# Altium PCB qfc.PcbDoc (part 12 of 13) (continued)
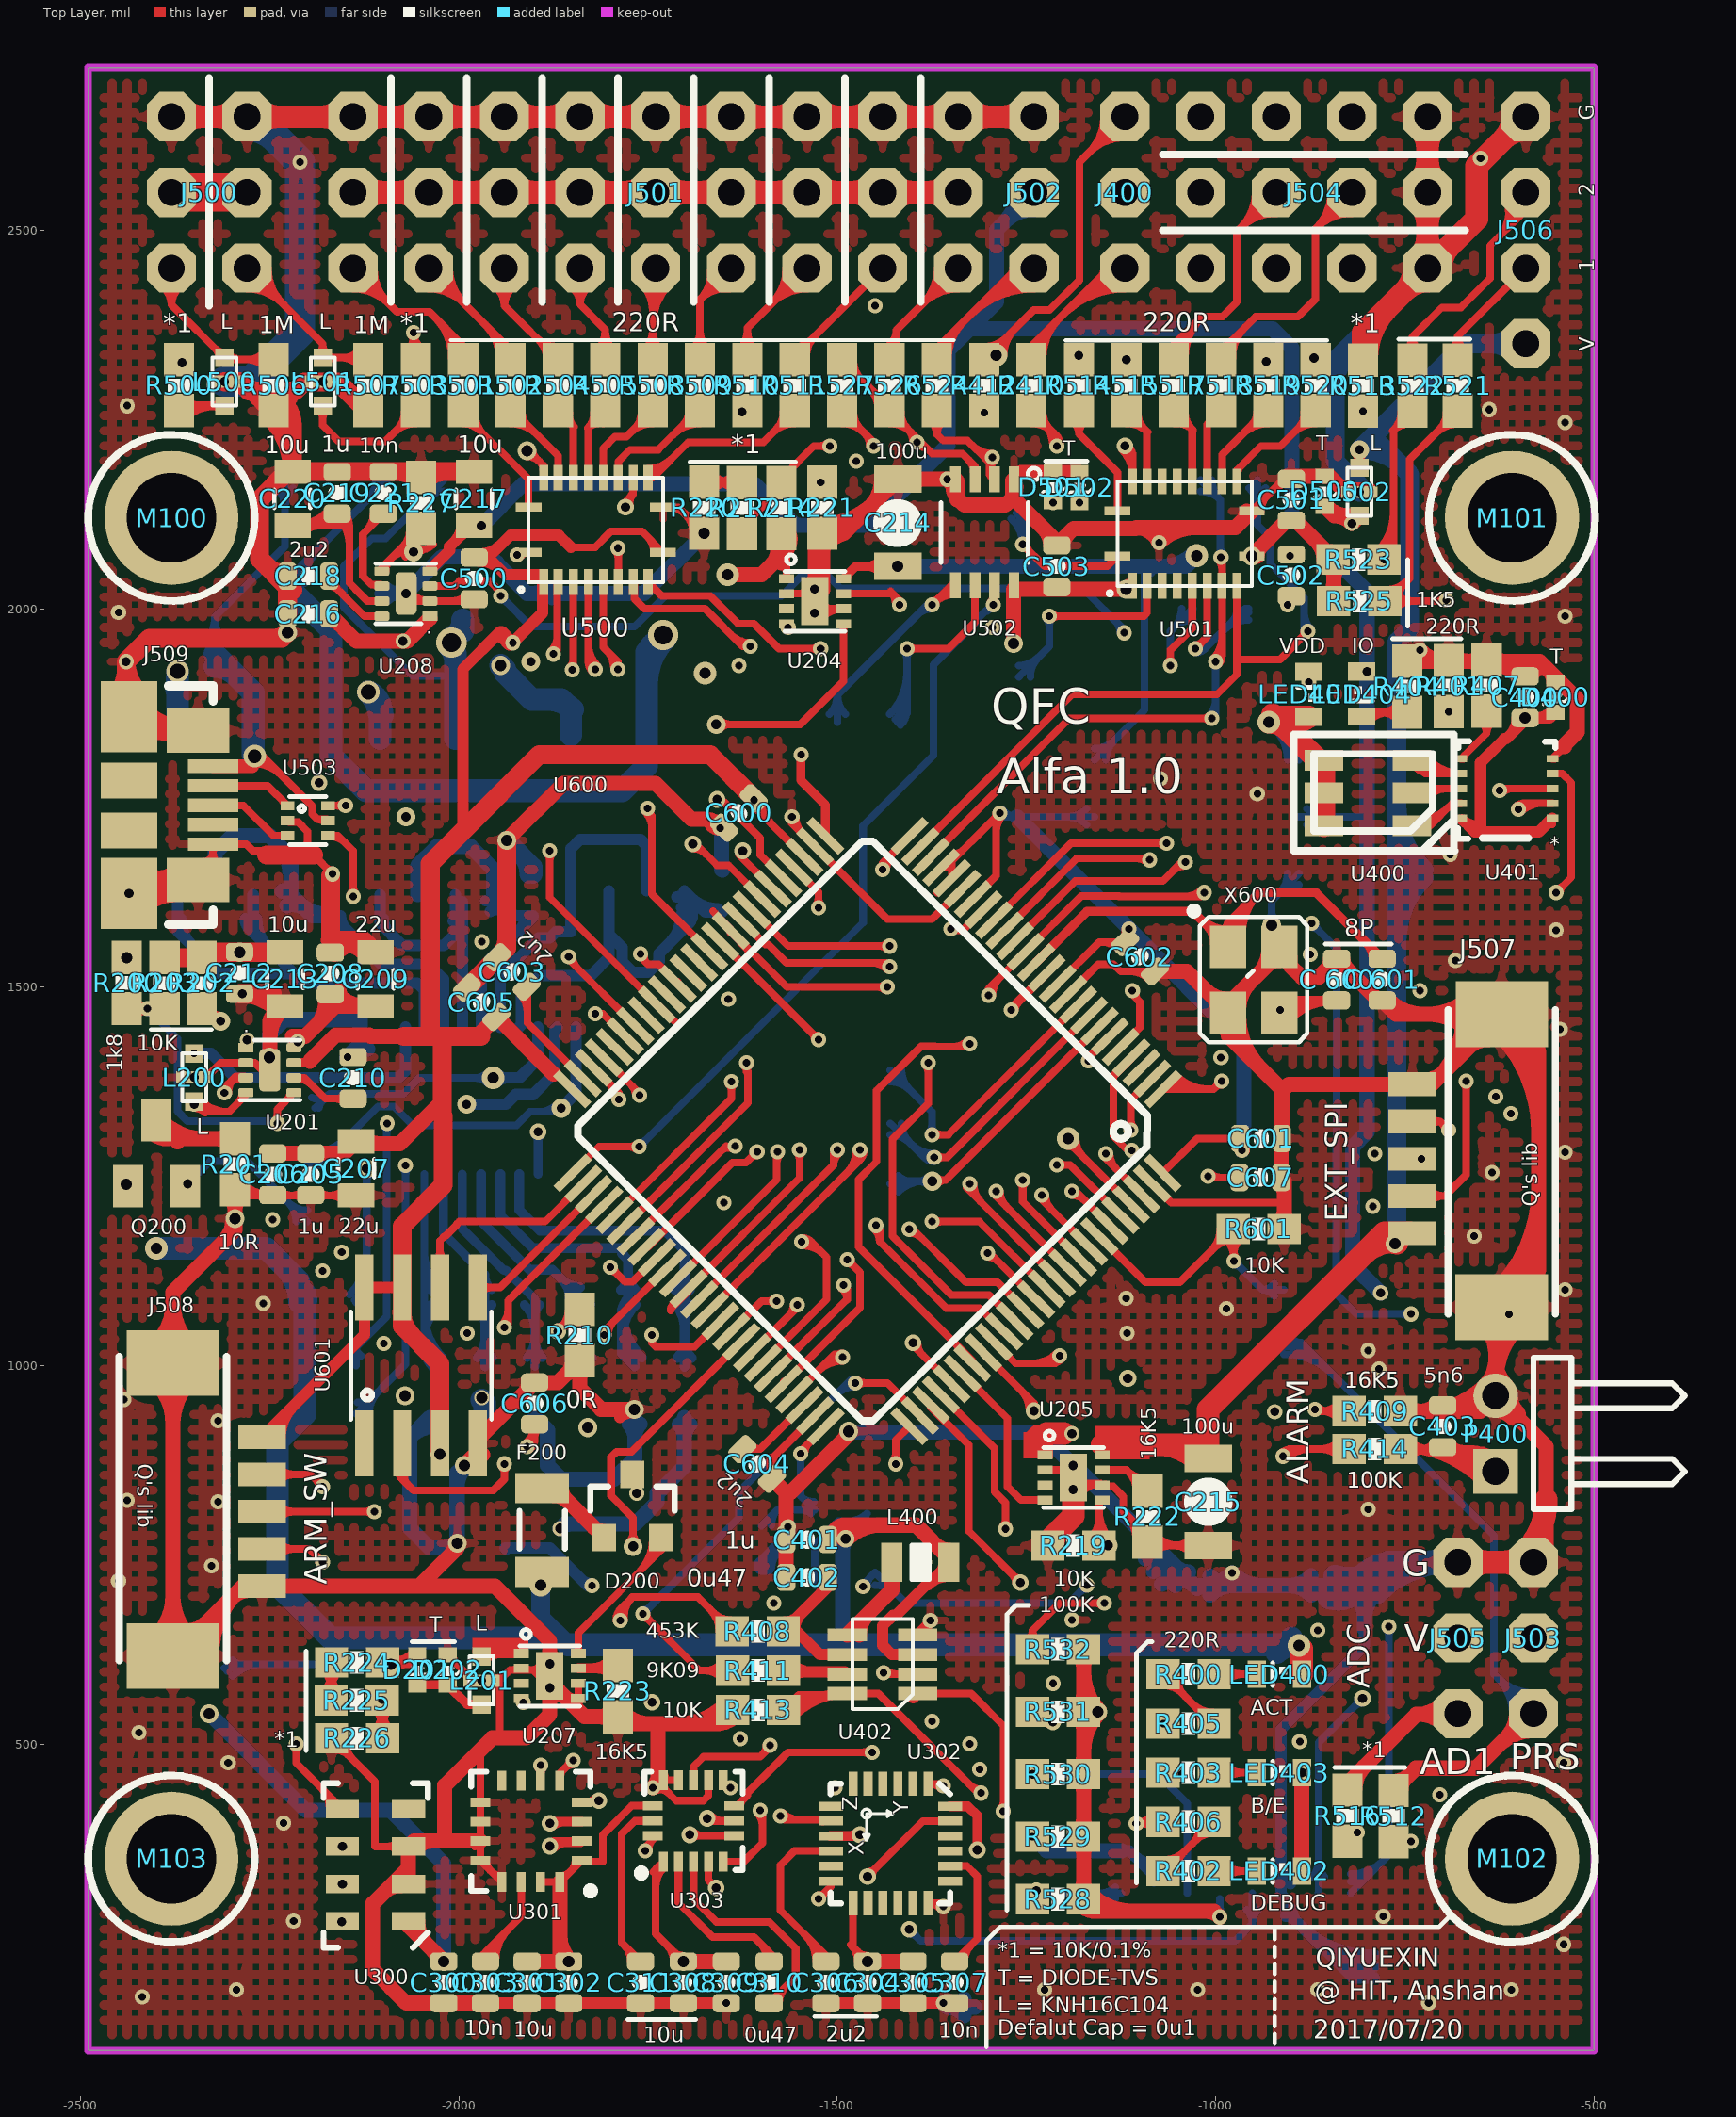
[diagram p0: Top Layer view]
## Nets (pads, with @x,y where several pads share a name; then routed paths per layer and width w, separated by ;. In a path a pad name is that pad's centre, name@x,y a point inside that pad or via, vN(x,y) a via of type N, cw(c..) or ccw(c..) an arc to the next point about the centre after c; other vN are vias at no path point) (continued)
SBUS_OUTPUT: S2TX.P$1 U502.5 U600.86 | length 2120.5
  Top Layer w10: v1(-1380,1400) -1380,1346 -1427,1299 -1427,1170.89 -1349.11,1093 -1299.57,1093 U600.86@-1265.54,1058.98 ; v1(-1375,2005) -1349,2031 U502.5@-1344,2031 ; v1@-1383.54,1396.46 cw(c-1392.07,1387.93) -1380,1387.93 ; v1@-1383.54,1396.46 cw(c-1392.07,1387.93) -1380,1387.93 ; v1@-1383.54,1396.46 cw(c-1392.07,1387.93) -1380,1387.93 ; v1@-1383.54,1396.46 cw(c-1392.07,1387.93) -1380,1387.93 ; -1380,1387.93 cw(c-1367.93,1387.93) v1@-1376.46,1396.46 ; -1380,1387.93 cw(c-1367.93,1387.93) v1@-1376.46,1396.46 ; -1380,1387.93 cw(c-1367.93,1387.93) v1@-1376.46,1396.46 ; -1380,1387.93 cw(c-1367.93,1387.93) v1@-1376.46,1396.46 ; v1@-1375,2010 ccw(c-1375,2022.07) -1366.46,2013.54 ; v1@-1375,2010 ccw(c-1375,2022.07) -1366.46,2013.54 ; v1@-1375,2010 ccw(c-1375,2022.07) -1366.46,2013.54 ; v1@-1375,2010 ccw(c-1375,2022.07) -1366.46,2013.54 ; v1@-1373.02,2006.98 cw(c-1344,1977.96) U502.5@-1344,2019 ; v1@-1373.02,2006.98 cw(c-1344,1977.96) U502.5@-1344,2019 ; v1@-1373.02,2006.98 cw(c-1344,1977.96) U502.5@-1344,2019 ; v1@-1373.02,2006.98 cw(c-1344,1977.96) U502.5@-1344,2019 ; v1@-1370,2005 cw(c-1357.93,2005) -1366.46,2013.54 ; v1@-1370,2005 cw(c-1357.93,2005) -1366.46,2013.54 ; v1@-1370,2005 cw(c-1357.93,2005) -1366.46,2013.54 ; v1@-1370,2005 cw(c-1357.93,2005) -1366.46,2013.54 ; -1355.95,2024.05 cw(c-1344,2012.1) U502.5@-1344,2029 ; -1355.95,2024.05 cw(c-1344,2012.1) U502.5@-1344,2029 ; -1355.95,2024.05 cw(c-1344,2012.1) U502.5@-1344,2029 ; -1355.95,2024.05 cw(c-1344,2012.1) U502.5@-1344,2029
  Mid-Layer 2 w10: v1(-1380,1400) v1@-1380,2000 ; v1@-1383.54,1403.54 ccw(c-1392.07,1412.07) -1380,1412.07 ; v1@-1383.54,1403.54 ccw(c-1392.07,1412.07) -1380,1412.07 ; v1@-1383.54,1403.54 ccw(c-1392.07,1412.07) -1380,1412.07 ; v1@-1383.54,1403.54 ccw(c-1392.07,1412.07) -1380,1412.07 ; -1380,1412.07 ccw(c-1367.93,1412.07) v1@-1376.46,1403.54 ; -1380,1412.07 ccw(c-1367.93,1412.07) v1@-1376.46,1403.54 ; -1380,1412.07 ccw(c-1367.93,1412.07) v1@-1376.46,1403.54 ; -1380,1412.07 ccw(c-1367.93,1412.07) v1@-1376.46,1403.54 ; -1380,1980.86 cw(c-1350.86,1980.86) v1@-1371.46,2001.46 ; -1380,1980.86 cw(c-1350.86,1980.86) v1@-1371.46,2001.46 ; -1380,1980.86 cw(c-1350.86,1980.86) v1@-1371.46,2001.46 ; -1380,1980.86 cw(c-1350.86,1980.86) v1@-1371.46,2001.46
  Bottom Layer w10: S2TX.P$1@-1500,1850 -1500,1886.11 ; v1(-1375,2005) -1381.11,2005 -1500,1886.11 ; S2TX.P$1@-1510.59,1860.63 ccw(c-1535.97,1886.11) -1500,1886.11 ; S2TX.P$1@-1510.59,1860.63 ccw(c-1535.97,1886.11) -1500,1886.11 ; S2TX.P$1@-1510.59,1860.63 ccw(c-1535.97,1886.11) -1500,1886.11 ; S2TX.P$1@-1510.59,1860.63 ccw(c-1535.97,1886.11) -1500,1886.11 ; -1500,1886.11 ccw(c-1464.03,1886.11) S2TX.P$1@-1489.41,1860.63 ; -1500,1886.11 ccw(c-1464.03,1886.11) S2TX.P$1@-1489.41,1860.63 ; -1500,1886.11 ccw(c-1464.03,1886.11) S2TX.P$1@-1489.41,1860.63 ; -1500,1886.11 ccw(c-1464.03,1886.11) S2TX.P$1@-1489.41,1860.63 ; -1393.97,1992.14 cw(c-1375,1973.17) v1@-1375,2000 ; -1393.97,1992.14 cw(c-1375,1973.17) v1@-1375,2000 ; -1393.97,1992.14 cw(c-1375,1973.17) v1@-1375,2000 ; -1393.97,1992.14 cw(c-1375,1973.17) v1@-1375,2000
SPI_INT_MISO: U300.6 U301.4 U302.9 U303.7 U600.31 | length 2916.5
  Top Layer w10: U301.4@-1838.07,422.91 v2@-1817.09,422.91 ; v2@-1668.68,398.27 U303.7@-1636.06,398.27 ; v2@-1630,1674.87 U600.31@-1585.27,1630.15 ; v2@-1471.63,378.37 v2(-1470,380) ; U301.4@-1834.52,422.91 ccw(c-1834.52,444.52) v2@-1819.24,429.24 ; U301.4@-1834.52,422.91 ccw(c-1834.52,444.52) v2@-1819.24,429.24 ; U301.4@-1834.52,422.91 ccw(c-1834.52,444.52) v2@-1819.24,429.24 ; U301.4@-1834.52,422.91 ccw(c-1834.52,444.52) v2@-1819.24,429.24 ; v2@-1667.76,405.83 ccw(c-1649.51,424.07) -1649.51,398.27 ; v2@-1667.76,405.83 ccw(c-1649.51,424.07) -1649.51,398.27 ; v2@-1667.76,405.83 ccw(c-1649.51,424.07) -1649.51,398.27 ; v2@-1667.76,405.83 ccw(c-1649.51,424.07) -1649.51,398.27
  Top Layer w13: U302.9@-1508.74,378.37 v2@-1471.63,378.37 ; -1484.8,378.37 ccw(c-1484.8,394.8) v2@-1473.18,383.18 ; -1484.8,378.37 ccw(c-1484.8,394.8) v2@-1473.18,383.18 ; -1484.8,378.37 ccw(c-1484.8,394.8) v2@-1473.18,383.18 ; -1484.8,378.37 ccw(c-1484.8,394.8) v2@-1473.18,383.18
  Mid-Layer 1 w13: v2(-2154,364.61) -2093.61,425 v2(-1815,425) -1805,415 -1727.86,415 -1685.42,415 v2(-1672,401.58) -1650.42,380 v2(-1470,380) ; v2@-1811.82,428.18 ccw(c-1779.99,460.01) -1779.99,415 ; v2@-1811.82,428.18 ccw(c-1779.99,460.01) -1779.99,415 ; v2@-1811.82,428.18 ccw(c-1779.99,460.01) -1779.99,415 ; v2@-1811.82,428.18 ccw(c-1779.99,460.01) -1779.99,415
  Mid-Layer 2 w10: v2(-1672,401.58) -1672,1645 -1637,1680 ; v2(-1625,1680) -1637,1680 ; v2@-1676.24,405.83 ccw(c-1686.49,416.07) -1672,416.07 ; v2@-1676.24,405.83 ccw(c-1686.49,416.07) -1672,416.07 ; v2@-1676.24,405.83 ccw(c-1686.49,416.07) -1672,416.07 ; v2@-1676.24,405.83 ccw(c-1686.49,416.07) -1672,416.07 ; -1672,416.07 ccw(c-1657.51,416.07) v2@-1667.76,405.83 ; -1672,416.07 ccw(c-1657.51,416.07) v2@-1667.76,405.83 ; -1672,416.07 ccw(c-1657.51,416.07) v2@-1667.76,405.83 ; -1672,416.07 ccw(c-1657.51,416.07) v2@-1667.76,405.83 ; -1655.73,1661.27 cw(c-1625,1630.54) v2@-1625,1674 ; -1655.73,1661.27 cw(c-1625,1630.54) v2@-1625,1674 ; -1655.73,1661.27 cw(c-1625,1630.54) v2@-1625,1674 ; -1655.73,1661.27 cw(c-1625,1630.54) v2@-1625,1674 ; -1643,1674 cw(c-1635.09,1666.09) v2@-1628.52,1675.14 ; -1643,1674 cw(c-1635.09,1666.09) v2@-1628.52,1675.14 ; -1643,1674 cw(c-1635.09,1666.09) v2@-1628.52,1675.14 ; -1638.66,1678.34 cw(c-1625,1664.69) v2@-1625,1684 ; -1638.66,1678.34 cw(c-1625,1664.69) v2@-1625,1684 ; -1638.66,1678.34 cw(c-1625,1664.69) v2@-1625,1684 ; -1638.66,1678.34 cw(c-1625,1664.69) v2@-1625,1684 ; -1637,1680 cw(c-1637,1671) v2@-1629.8,1676.4 ; -1637,1680 ccw(c-1637,1689) v2@-1629.8,1683.6 ; -1637,1680 cw(c-1637,1671) v2@-1629.8,1676.4 ; -1637,1680 ccw(c-1637,1689) v2@-1629.8,1683.6 ; -1637,1680 cw(c-1637,1671) v2@-1629.8,1676.4 ; -1637,1680 ccw(c-1637,1689) v2@-1629.8,1683.6
SPI_INT_MOSI: U300.7 U301.3 U302.24 U303.6 U600.32 | length 3050.4
  Top Layer w10: v2@-1693.58,378.58 U303.6@-1636.06,378.58 ; v2(-1691,1689) -1689,1691 -1659.02,1661.02 -1643.98,1661.02 U600.32@-1599.19,1616.23 ; v2@-1691,1683 cw(c-1691,1658.86) -1673.93,1675.93 ; v2@-1691,1683 cw(c-1691,1658.86) -1673.93,1675.93 ; v2@-1691,1683 cw(c-1691,1658.86) -1673.93,1675.93 ; v2@-1691,1683 cw(c-1691,1658.86) -1673.93,1675.93 ; v2@-1690.76,375.76 cw(c-1683.93,368.93) -1683.93,378.58 ; v2@-1690.76,375.76 cw(c-1683.93,368.93) -1683.93,378.58 ; v2@-1690.76,375.76 cw(c-1683.93,368.93) -1683.93,378.58 ; v2@-1690.76,375.76 cw(c-1683.93,368.93) -1683.93,378.58 ; v2@-1690.76,384.24 ccw(c-1677.1,397.9) -1677.1,378.58 ; v2@-1690.76,384.24 ccw(c-1677.1,397.9) -1677.1,378.58 ; v2@-1690.76,384.24 ccw(c-1677.1,397.9) -1677.1,378.58 ; v2@-1690.76,384.24 ccw(c-1677.1,397.9) -1677.1,378.58
  Top Layer w13: v2@-1877.68,397.32 U301.3@-1838.07,397.32 ; U302.24@-1351,417.74 -1327.74,417.74 -1315,405 v2(-1315,360) ; v2@-1876.82,391.82 cw(c-1863.53,378.53) -1863.53,397.32 ; v2@-1876.82,391.82 cw(c-1863.53,378.53) -1863.53,397.32 ; v2@-1876.82,391.82 cw(c-1863.53,378.53) -1863.53,397.32 ; v2@-1876.82,391.82 cw(c-1863.53,378.53) -1863.53,397.32
  Mid-Layer 1 w13: v2(-2154,315) -2074,395 v2(-1880,395) -1853,395 -1840.5,382.5 -1718.25,382.5 -1697.5,382.5 v2(-1695,380) -1670,355 -1445,355 ; -1440,355 v2@-1320,355 ; -1711.9,382.5 cw(c-1711.9,363.1) v2@-1698.18,376.82 ; -1711.9,382.5 cw(c-1711.9,363.1) v2@-1698.18,376.82 ; -1711.9,382.5 cw(c-1711.9,363.1) v2@-1698.18,376.82 ; -1711.9,382.5 cw(c-1711.9,363.1) v2@-1698.18,376.82 ; -1337.93,355 ccw(c-1337.93,382.93) v2@-1318.18,363.18 ; -1337.93,355 ccw(c-1337.93,382.93) v2@-1318.18,363.18 ; -1337.93,355 ccw(c-1337.93,382.93) v2@-1318.18,363.18 ; -1337.93,355 ccw(c-1337.93,382.93) v2@-1318.18,363.18
  Mid-Layer 2 w10: v2(-1695,380) -1695,1685 v2(-1691,1689) ; v2@-1699.24,384.24 ccw(c-1709.49,394.49) -1695,394.49 ; v2@-1699.24,384.24 ccw(c-1709.49,394.49) -1695,394.49 ; v2@-1699.24,384.24 ccw(c-1709.49,394.49) -1695,394.49 ; v2@-1699.24,384.24 ccw(c-1709.49,394.49) -1695,394.49 ; -1695,394.49 ccw(c-1680.51,394.49) v2@-1690.76,384.24 ; -1695,394.49 ccw(c-1680.51,394.49) v2@-1690.76,384.24 ; -1695,394.49 ccw(c-1680.51,394.49) v2@-1690.76,384.24 ; -1695,394.49 ccw(c-1680.51,394.49) v2@-1690.76,384.24 ; -1695,1664.86 cw(c-1666.86,1664.86) v2@-1686.76,1684.76 ; -1695,1664.86 cw(c-1666.86,1664.86) v2@-1686.76,1684.76 ; -1695,1664.86 cw(c-1666.86,1664.86) v2@-1686.76,1684.76 ; -1695,1664.86 cw(c-1666.86,1664.86) v2@-1686.76,1684.76
SPI_INT_SCK: U300.8 U301.2 U302.23 U303.4 U600.30 | length 3073.2
  Top Layer w10: v2(-2155,265) U300.8@-2154,266 ; U303.4@-1670.31,344.33 -1670.31,320.31 v2(-1660,310) ; v2(-1659,1748) -1659,1745 -1650.04,1745 -1602,1696.96 -1602,1674.71 U600.30@-1571.36,1644.07 ; v2(-1460,325) -1386.94,398.06 U302.23@-1351,398.06 ; v2@-1460,331 ccw(c-1460,345.49) -1449.76,335.24 ; v2@-1460,331 ccw(c-1460,345.49) -1449.76,335.24 ; v2@-1460,331 ccw(c-1460,345.49) -1449.76,335.24 ; v2@-1460,331 ccw(c-1460,345.49) -1449.76,335.24 ; v2@-1454,325 cw(c-1439.51,325) -1449.76,335.24 ; v2@-1454,325 cw(c-1439.51,325) -1449.76,335.24 ; v2@-1454,325 cw(c-1439.51,325) -1449.76,335.24 ; v2@-1454,325 cw(c-1439.51,325) -1449.76,335.24
  Top Layer w13: v2@-1874.5,370.5 -1839.3,370.5 U301.2@-1838.07,371.73 ; v2@-1876.82,361.82 cw(c-1855.86,340.86) -1855.86,370.5 ; v2@-1876.82,361.82 cw(c-1855.86,340.86) -1855.86,370.5 ; v2@-1876.82,361.82 cw(c-1855.86,340.86) -1855.86,370.5 ; v2@-1876.82,361.82 cw(c-1855.86,340.86) -1855.86,370.5
  Mid-Layer 1 w13: v2(-2155,265) -2050,370 v2@-1880,370 ; v2(-1880,365) -1825,310 v2(-1660,310) -1645,325 v2(-1460,325) ; -1902.93,370 cw(c-1902.93,342.07) v2@-1883.18,361.82 ; -1902.93,370 cw(c-1902.93,342.07) v2@-1883.18,361.82 ; -1902.93,370 cw(c-1902.93,342.07) v2@-1883.18,361.82 ; -1902.93,370 cw(c-1902.93,342.07) v2@-1883.18,361.82
  Mid-Layer 2 w10: v2@-1663,1748 v2(-1659,1748) -1664.53,1748 -1718,1694.53 -1718,368 v2(-1660,310) ; -1678.68,1733.85 cw(c-1659,1714.17) v2@-1659,1742 ; -1678.68,1733.85 cw(c-1659,1714.17) v2@-1659,1742 ; -1678.68,1733.85 cw(c-1659,1714.17) v2@-1659,1742 ; -1678.68,1733.85 cw(c-1659,1714.17) v2@-1659,1742 ; -1670.24,320.24 cw(c-1680.49,310) v2@-1666,310 ; -1670.24,320.24 ccw(c-1660,330.49) v2@-1660,316 ; -1670.24,320.24 cw(c-1680.49,310) v2@-1666,310 ; -1670.24,320.24 ccw(c-1660,330.49) v2@-1660,316 ; -1670.24,320.24 cw(c-1680.49,310) v2@-1666,310 ; -1670.24,320.24 ccw(c-1660,330.49) v2@-1660,316 ; -1670.24,320.24 cw(c-1680.49,310) v2@-1666,310 ; -1670.24,320.24 ccw(c-1660,330.49) v2@-1660,316
VBAT: B600.+ R600.1 U600.6 | length 2187.8
  Top Layer w10: v1(-1168.02,1402.57) -1169.84,1404.39 -1169.84,1405 U600.6@-1139.71,1435.13
  Mid-Layer 1 w10: v1(-1824,709) -1822.59,710.41 v1@-1822,711 ; v1@-1467.54,709 -1466.12,710.41 -1466,710.54 v1(-1466,708)
  Mid-Layer 1 w15: v1@-1822.59,710.41 v1@-1466.12,710.41 ; -1477.86,710.41 cw(c-1477.86,696.14) v1@-1467.77,706.23 ; -1477.86,710.41 cw(c-1477.86,696.14) v1@-1467.77,706.23 ; -1477.86,710.41 cw(c-1477.86,696.14) v1@-1467.77,706.23 ; -1477.86,710.41 cw(c-1477.86,696.14) v1@-1467.77,706.23
  Mid-Layer 2 w10: v1(-1170,710) -1167.19,712.81 -1167.19,1401.74 v1(-1168.02,1402.57) ; v1@-1173.54,713.54 ccw(c-1188.86,728.86) -1167.19,728.86 ; v1@-1173.54,713.54 ccw(c-1188.86,728.86) -1167.19,728.86 ; v1@-1173.54,713.54 ccw(c-1188.86,728.86) -1167.19,728.86 ; v1@-1173.54,713.54 ccw(c-1188.86,728.86) -1167.19,728.86 ; v1@-1171.56,1399.04 cw(c-1182.1,1388.49) -1167.19,1388.49 ; v1@-1171.56,1399.04 cw(c-1182.1,1388.49) -1167.19,1388.49 ; v1@-1171.56,1399.04 cw(c-1182.1,1388.49) -1167.19,1388.49 ; v1@-1171.56,1399.04 cw(c-1182.1,1388.49) -1167.19,1388.49 ; -1167.19,1392.51 cw(c-1157.96,1392.51) v1@-1164.49,1399.04 ; -1167.19,1392.51 cw(c-1157.96,1392.51) v1@-1164.49,1399.04 ; -1167.19,1392.51 cw(c-1157.96,1392.51) v1@-1164.49,1399.04 ; -1167.19,1392.51 cw(c-1157.96,1392.51) v1@-1164.49,1399.04
  Bottom Layer w10: v1(-1466,708) -1466,710.54 R600.1@-1450,726.54 -1409.46,686 -1194,686 v1(-1170,710) ; R600.1@-1461,708 cw(c-1442.81,708) R600.1@-1455.67,720.86 ; R600.1@-1461,708 cw(c-1442.81,708) R600.1@-1455.67,720.86 ; R600.1@-1461,708 cw(c-1442.81,708) R600.1@-1455.67,720.86 ; R600.1@-1461,708 cw(c-1442.81,708) R600.1@-1455.67,720.86 ; R600.1@-1450,709.54 cw(c-1450,668.49) -1420.98,697.51 ; R600.1@-1450,709.54 cw(c-1450,668.49) -1420.98,697.51 ; R600.1@-1450,709.54 cw(c-1450,668.49) -1420.98,697.51 ; R600.1@-1450,709.54 cw(c-1450,668.49) -1420.98,697.51 ; R600.1@-1435,724.54 ccw(c-1403.62,724.54) -1425.81,702.34 ; R600.1@-1435,724.54 ccw(c-1403.62,724.54) -1425.81,702.34 ; R600.1@-1435,724.54 ccw(c-1403.62,724.54) -1425.81,702.34 ; R600.1@-1435,724.54 ccw(c-1403.62,724.54) -1425.81,702.34 ; -1178.54,701.46 cw(c-1170,692.93) v1@-1170,705 ; -1178.54,701.46 ccw(c-1187.07,710) v1@-1175,710 ; -1178.54,701.46 cw(c-1170,692.93) v1@-1170,705 ; -1178.54,701.46 ccw(c-1187.07,710) v1@-1175,710 ; -1178.54,701.46 cw(c-1170,692.93) v1@-1170,705 ; -1178.54,701.46 ccw(c-1187.07,710) v1@-1175,710 ; -1178.54,701.46 cw(c-1170,692.93) v1@-1170,705 ; -1178.54,701.46 ccw(c-1187.07,710) v1@-1175,710
  Bottom Layer w15: B600.+@-1937.5,757 B600.+@-1939.5,759.01 -1879.9,759.01 -1829.89,709 v1(-1824,709) ; -1838.32,717.43 ccw(c-1824,731.76) v1@-1824,711.5 ; -1838.32,717.43 ccw(c-1824,731.76) v1@-1824,711.5 ; -1838.32,717.43 ccw(c-1824,731.76) v1@-1824,711.5 ; -1838.32,717.43 ccw(c-1824,731.76) v1@-1824,711.5
VBUS: C211.P$1 J509.VBUS R213.2 U203.7 U206.22 U503.5 U600.68 VBUS.P$1 | length 4038.5
  Top Layer w10: v13@-2261.92,1807 -2194,1739.08 -2194,1728.71 -2186.97,1721.68 -2174.68,1721.68 U503.5@-2173,1720 ; U600.68@-1612.73,1017.26 -1553,1076.99 v1(-1553,1080) ; v13@-2270,1795 cw(c-2270,1746.52) -2235.72,1780.8 ; v13@-2270,1795 cw(c-2270,1746.52) -2235.72,1780.8 ; v13@-2270,1795 cw(c-2270,1746.52) -2235.72,1780.8 ; v13@-2270,1795 cw(c-2270,1746.52) -2235.72,1780.8 ; v13(-2270,1805) cw(c-2270,1780.67) -2252.79,1797.87 ; v13(-2270,1805) cw(c-2270,1780.67) -2252.79,1797.87 ; v13(-2270,1805) cw(c-2270,1780.67) -2252.79,1797.87 ; v13(-2270,1805) cw(c-2270,1780.67) -2252.79,1797.87 ; -2189.36,1724.07 ccw(c-2180.29,1733.13) U503.5@-2176.31,1720.95 ; -2189.36,1724.07 ccw(c-2180.29,1733.13) U503.5@-2176.31,1720.95 ; -2189.36,1724.07 ccw(c-2180.29,1733.13) U503.5@-2176.31,1720.95 ; -2189.36,1724.07 ccw(c-2180.29,1733.13) U503.5@-2176.31,1720.95 ; -2182.48,1721.68 cw(c-2182.48,1713.52) U503.5@-2176.71,1719.29 ; -2182.48,1721.68 cw(c-2182.48,1713.52) U503.5@-2176.71,1719.29 ; -2182.48,1721.68 cw(c-2182.48,1713.52) U503.5@-2176.71,1719.29 ; -2182.48,1721.68 cw(c-2182.48,1713.52) U503.5@-2176.71,1719.29 ; -1563.66,1066.33 ccw(c-1577.33,1080) v1@-1558,1080 ; -1563.66,1066.33 ccw(c-1577.33,1080) v1@-1558,1080 ; -1563.66,1066.33 ccw(c-1577.33,1080) v1@-1558,1080 ; -1563.66,1066.33 ccw(c-1577.33,1080) v1@-1558,1080
  Top Layer w18: J509.VBUS@-2325,1792 v13@-2273,1792
  Mid-Layer 1 w10: v1(-1989,1042.5) v1@-1989,1043 ; v1@-1553,1078 v1(-1553,1080)
  Mid-Layer 1 w15: v1(-1989,1042.5) -1982.15,1042.5 -1950.15,1074.5 -1743.44,1074.5 -1729.44,1060.5 -1569.85,1060.5 -1553,1077.35 v1@-1553,1078 ; v1@-1989,1045 ccw(c-1989,1067.58) -1973.04,1051.61 ; v1@-1989,1045 ccw(c-1989,1067.58) -1973.04,1051.61 ; v1@-1989,1045 ccw(c-1989,1067.58) -1973.04,1051.61 ; v1@-1989,1045 ccw(c-1989,1067.58) -1973.04,1051.61 ; -1559.14,1071.21 ccw(c-1567.93,1080) v1@-1555.5,1080 ; -1559.14,1071.21 ccw(c-1567.93,1080) v1@-1555.5,1080 ; -1559.14,1071.21 ccw(c-1567.93,1080) v1@-1555.5,1080 ; -1559.14,1071.21 ccw(c-1567.93,1080) v1@-1555.5,1080
  Mid-Layer 1 w30: v13(-2270,1805) -2270,1630 -2020,1380 v5(-1955,1380)
  Mid-Layer 2 w10: v1(-1989,1042.5) v1@-1988.5,1042
  Mid-Layer 2 w30: -1980,967.5 v1@-1980,1042 ; v1@-1980,1042.5 -1980,1135 -1955,1160 v5(-1955,1380) ; v1@-1985.46,1038.96 ccw(c-1998.65,1052.15) -1980,1052.15 ; v1@-1985.46,1038.96 ccw(c-1998.65,1052.15) -1980,1052.15 ; v1@-1985.46,1038.96 ccw(c-1998.65,1052.15) -1980,1052.15 ; v1@-1985.46,1038.96 ccw(c-1998.65,1052.15) -1980,1052.15 ; v1@-1985.46,1046.04 cw(c-1998.65,1032.85) -1980,1032.85 ; v1@-1985.46,1046.04 cw(c-1998.65,1032.85) -1980,1032.85 ; v1@-1985.46,1046.04 cw(c-1998.65,1032.85) -1980,1032.85 ; v1@-1985.46,1046.04 cw(c-1998.65,1032.85) -1980,1032.85 ; -1980,969.57 ccw(c-1957.93,969.57) v12@-1973.54,953.96 ; -1980,969.57 ccw(c-1957.93,969.57) v12@-1973.54,953.96 ; -1980,969.57 ccw(c-1957.93,969.57) v12@-1973.54,953.96 ; -1980,969.57 ccw(c-1957.93,969.57) v12@-1973.54,953.96
  Bottom Layer w10: C211.P$1@-2322.91,1940 -2322.91,1989.09 -2230,2082 -2230,2170 ; -2240.61,2159.39 cw(c-2266.21,2133.79) -2230,2133.79 cw(c-2193.79,2133.79) -2219.39,2159.39 ; VBUS.P$1@-2190,1340 -2171,1359 ; v5(-1955,1380) -2052.42,1380 -2073.42,1359 -2171,1359 ; C211.P$1@-2332.11,1962.69 ccw(c-2354.3,1984.89) -2322.91,1984.89 ; C211.P$1@-2332.11,1962.69 ccw(c-2354.3,1984.89) -2322.91,1984.89 ; C211.P$1@-2332.11,1962.69 ccw(c-2354.3,1984.89) -2322.91,1984.89 ; C211.P$1@-2332.11,1962.69 ccw(c-2354.3,1984.89) -2322.91,1984.89 ; -2322.91,1984.89 ccw(c-2291.53,1984.89) C211.P$1@-2313.72,1962.69 ; -2322.91,1984.89 ccw(c-2291.53,1984.89) C211.P$1@-2313.72,1962.69 ; -2322.91,1984.89 ccw(c-2291.53,1984.89) C211.P$1@-2313.72,1962.69 ; -2322.91,1984.89 ccw(c-2291.53,1984.89) C211.P$1@-2313.72,1962.69 ; VBUS.P$1@-2194.61,1354 ccw(c-2186.65,1374.65) -2171,1359 ; VBUS.P$1@-2194.61,1354 ccw(c-2186.65,1374.65) -2171,1359 ; VBUS.P$1@-2194.61,1354 ccw(c-2186.65,1374.65) -2171,1359 ; VBUS.P$1@-2185,1340 cw(c-2172.93,1340) -2181.46,1348.54 ; VBUS.P$1@-2185,1340 cw(c-2172.93,1340) -2181.46,1348.54 ; VBUS.P$1@-2185,1340 cw(c-2172.93,1340) -2181.46,1348.54 ; -1979.14,1380 cw(c-1979.14,1355.86) v5@-1962.07,1372.93 ; -1979.14,1380 ccw(c-1979.14,1404.14) v5@-1962.07,1387.07 ; -1979.14,1380 cw(c-1979.14,1355.86) v5@-1962.07,1372.93 ; -1979.14,1380 ccw(c-1979.14,1404.14) v5@-1962.07,1387.07 ; -1979.14,1380 cw(c-1979.14,1355.86) v5@-1962.07,1372.93 ; -1979.14,1380 ccw(c-1979.14,1404.14) v5@-1962.07,1387.07
  Bottom Layer w15: v5(-1955,1380) -1920,1380 -1895.5,1404.5 U206.22@-1895.5,1447 ; v5@-1949.7,1374.7 cw(c-1936.89,1361.89) -1936.89,1380 ; v5@-1949.7,1374.7 cw(c-1936.89,1361.89) -1936.89,1380 ; v5@-1949.7,1374.7 cw(c-1936.89,1361.89) -1936.89,1380 ; v5@-1949.7,1374.7 cw(c-1936.89,1361.89) -1936.89,1380 ; v5@-1949.7,1385.3 ccw(c-1936.89,1398.11) -1936.89,1380 ; v5@-1949.7,1385.3 ccw(c-1936.89,1398.11) -1936.89,1380 ; v5@-1949.7,1385.3 ccw(c-1936.89,1398.11) -1936.89,1380 ; v5@-1949.7,1385.3 ccw(c-1936.89,1398.11) -1936.89,1380
  Bottom Layer w20: R213.2@-1970,935 R213.2@-1966,931 ; v12@-1970,954.47 v12(-1970,957.5) ; v12(-1970,957.5) ccw(c-1951.57,957.5) R213.2@-1960.92,941.62 ; v12(-1970,957.5) ccw(c-1951.57,957.5) R213.2@-1960.92,941.62 ; v12(-1970,957.5) ccw(c-1951.57,957.5) R213.2@-1960.92,941.62 ; v12(-1970,957.5) ccw(c-1951.57,957.5) R213.2@-1960.92,941.62
  Bottom Layer w25: R213.2@-1970.82,926.19 R213.2@-1966,931
  Bottom Layer w30: C211.P$1@-2322.91,1940 -2272,1889.09 U203.7@-2272,1828 -2272,1807 v13(-2270,1805) ; v12@-1970,954.47 -1966,950.47 R213.2@-1966,931 ; C211.P$1@-2322.91,1923.5 cw(c-2322.91,1883.67) -2294.75,1911.83 ; C211.P$1@-2322.91,1923.5 cw(c-2322.91,1883.67) -2294.75,1911.83 ; C211.P$1@-2322.91,1923.5 cw(c-2322.91,1883.67) -2294.75,1911.83 ; C211.P$1@-2322.91,1923.5 cw(c-2322.91,1883.67) -2294.75,1911.83
VDD_3V3_SENSORS: 3V3_SEN.P$1 C208.P$1 C209.1 C300.P$1 C301.P$1 C302.P$1 C304.P$1 C305.P$1 C308.P$1 C309.P$1 Q200.E U201.8 U300.1 U301.1 U301.15 U301.16 U302.13 U303.1 U303.14 | length 5588.6
  Top Layer w10: Q200.E@-2362,1236.69 v4(-2358.69,1240) ; U301.15@-1892.2,317.6 U301.16@-1866.61,317.6 U301.1@-1838.07,346.14 -1836.26,344.33 -1810,344.33 -1810,380 -1771.73,418.27 U303.14@-1744,418.27 ; U303.1@-1730,344.33 -1740,334.33 -1740,249.23 v3(-1703.33,212.56) ; U302.13@-1479.21,289.53 -1479.21,231.77 v3(-1460,212.56) ; U301.16@-1866.61,325.6 ccw(c-1866.61,344.91) -1852.96,331.25 ; U301.16@-1866.61,325.6 ccw(c-1866.61,344.91) -1852.96,331.25 ; U301.16@-1866.61,325.6 ccw(c-1866.61,344.91) -1852.96,331.25 ; U301.16@-1866.61,325.6 ccw(c-1866.61,344.91) -1852.96,331.25 ; -1851.73,332.49 ccw(c-1865.38,346.14) U301.1@-1846.07,346.14 ; -1851.73,332.49 ccw(c-1865.38,346.14) U301.1@-1846.07,346.14 ; -1851.73,332.49 ccw(c-1865.38,346.14) U301.1@-1846.07,346.14 ; -1851.73,332.49 ccw(c-1865.38,346.14) U301.1@-1846.07,346.14 ; U301.1@-1830.36,346.85 ccw(c-1824.29,352.93) -1824.29,344.33 ; U301.1@-1830.36,346.85 ccw(c-1824.29,352.93) -1824.29,344.33 ; U301.1@-1830.36,346.85 ccw(c-1824.29,352.93) -1824.29,344.33 ; U301.1@-1830.36,346.85 ccw(c-1824.29,352.93) -1824.29,344.33 ; -1743.5,330.83 cw(c-1730.22,317.56) U303.1@-1730.01,336.33 ; -1743.5,330.83 cw(c-1730.22,317.56) U303.1@-1730.01,336.33 ; -1743.5,330.83 cw(c-1730.22,317.56) U303.1@-1730.01,336.33 ; -1743.5,330.83 cw(c-1730.22,317.56) U303.1@-1730.01,336.33 ; -1740,310.78 cw(c-1703.45,310.78) U303.1@-1729.29,336.62 ; -1740,310.78 cw(c-1703.45,310.78) U303.1@-1729.29,336.62 ; -1740,310.78 cw(c-1703.45,310.78) U303.1@-1729.29,336.62 ; -1740,310.78 cw(c-1703.45,310.78) U303.1@-1729.29,336.62 ; -1725.53,234.75 cw(c-1747.72,212.56) C308.P$1@-1716.33,212.56 ; -1725.53,234.75 cw(c-1747.72,212.56) C308.P$1@-1716.33,212.56 ; -1725.53,234.75 cw(c-1747.72,212.56) C308.P$1@-1716.33,212.56 ; -1725.53,234.75 cw(c-1747.72,212.56) C308.P$1@-1716.33,212.56 ; -1716.14,225.36 cw(c-1728.94,212.56) C308.P$1@-1710.83,212.56 ; -1716.14,225.36 ccw(c-1703.33,238.17) C308.P$1@-1703.33,220.06 ; -1716.14,225.36 cw(c-1728.94,212.56) C308.P$1@-1710.83,212.56 ; -1716.14,225.36 ccw(c-1703.33,238.17) C308.P$1@-1703.33,220.06 ; -1716.14,225.36 cw(c-1728.94,212.56) C308.P$1@-1710.83,212.56 ; -1716.14,225.36 ccw(c-1703.33,238.17) C308.P$1@-1703.33,220.06 ; -1716.14,225.36 cw(c-1728.94,212.56) C308.P$1@-1710.83,212.56 ; -1716.14,225.36 ccw(c-1703.33,238.17) C308.P$1@-1703.33,220.06 ; -1482.19,234.75 cw(c-1504.38,212.56) C304.P$1@-1473,212.56 ; -1482.19,234.75 cw(c-1504.38,212.56) C304.P$1@-1473,212.56 ; -1482.19,234.75 cw(c-1504.38,212.56) C304.P$1@-1473,212.56 ; -1482.19,234.75 cw(c-1504.38,212.56) C304.P$1@-1473,212.56 ; -1472.8,225.36 cw(c-1485.61,212.56) C304.P$1@-1467.5,212.56 ; -1472.8,225.36 ccw(c-1460,238.17) C304.P$1@-1460,220.06 ; -1472.8,225.36 cw(c-1485.61,212.56) C304.P$1@-1467.5,212.56 ; -1472.8,225.36 ccw(c-1460,238.17) C304.P$1@-1460,220.06 ; -1472.8,225.36 cw(c-1485.61,212.56) C304.P$1@-1467.5,212.56 ; -1472.8,225.36 ccw(c-1460,238.17) C304.P$1@-1460,220.06 ; -1472.8,225.36 cw(c-1485.61,212.56) C304.P$1@-1467.5,212.56 ; -1472.8,225.36 ccw(c-1460,238.17) C304.P$1@-1460,220.06
  Top Layer w15: -2154.57,1474.57 C209.1@-2110,1474.57 ; C208.P$1@-2171.42,1483.01 ccw(c-2151.03,1503.41) -2151.03,1474.57 ; C208.P$1@-2171.42,1483.01 ccw(c-2151.03,1503.41) -2151.03,1474.57 ; C208.P$1@-2171.42,1483.01 ccw(c-2151.03,1503.41) -2151.03,1474.57 ; C208.P$1@-2171.42,1483.01 ccw(c-2151.03,1503.41) -2151.03,1474.57 ; C208.P$1@-2160.82,1493.62 ccw(c-2114.81,1539.63) C209.1@-2114.81,1474.57 ; C208.P$1@-2160.82,1493.62 ccw(c-2114.81,1539.63) C209.1@-2114.81,1474.57 ; C208.P$1@-2160.82,1493.62 ccw(c-2114.81,1539.63) C209.1@-2114.81,1474.57 ; C208.P$1@-2160.82,1493.62 ccw(c-2114.81,1539.63) C209.1@-2114.81,1474.57 ; -2138.52,1474.57 cw(c-2138.52,1454.04) C209.1@-2124.01,1468.55 ; -2138.52,1474.57 ccw(c-2138.52,1495.09) C209.1@-2124.01,1480.58 ; -2138.52,1474.57 cw(c-2138.52,1454.04) C209.1@-2124.01,1468.55 ; -2138.52,1474.57 ccw(c-2138.52,1495.09) C209.1@-2124.01,1480.58 ; -2138.52,1474.57 cw(c-2138.52,1454.04) C209.1@-2124.01,1468.55 ; -2138.52,1474.57 ccw(c-2138.52,1495.09) C209.1@-2124.01,1480.58 ; -2138.52,1474.57 cw(c-2138.52,1454.04) C209.1@-2124.01,1468.55 ; -2138.52,1474.57 ccw(c-2138.52,1495.09) C209.1@-2124.01,1480.58
  Top Layer w20: v4(-2213,1428) -2220,1435 -2203,1435 -2163.44,1474.57 C209.1@-2110,1474.57 ; U300.1@-2066.69,266 -2066.69,259.25 v3(-2020,212.56) ; C301.P$1@-1910,212.56 v3(-1855,212.56) -1866.61,224.17 U301.16@-1866.61,317.6 ; v3(-1703.33,212.56) C309.P$1@-1646.67,212.56 ; v3(-1460,212.56) C305.P$1@-1400,212.56 ; -2188.78,1449.22 ccw(c-2218.5,1478.94) C208.P$1@-2177.93,1489.92 ; -2188.78,1449.22 ccw(c-2218.5,1478.94) C208.P$1@-2177.93,1489.92 ; -2188.78,1449.22 ccw(c-2218.5,1478.94) C208.P$1@-2177.93,1489.92 ; -2188.78,1449.22 ccw(c-2218.5,1478.94) C208.P$1@-2177.93,1489.92 ; -2164.36,1473.65 ccw(c-2180.05,1489.34) C208.P$1@-2158.62,1495.14 ; -2164.36,1473.65 ccw(c-2180.05,1489.34) C208.P$1@-2158.62,1495.14 ; -2164.36,1473.65 ccw(c-2180.05,1489.34) C208.P$1@-2158.62,1495.14 ; -2164.36,1473.65 ccw(c-2180.05,1489.34) C208.P$1@-2158.62,1495.14 ; C208.P$1@-2162.59,1491.85 ccw(c-2120.85,1533.59) C209.1@-2120.85,1474.57 ; C208.P$1@-2162.59,1491.85 ccw(c-2120.85,1533.59) C209.1@-2120.85,1474.57 ; C208.P$1@-2162.59,1491.85 ccw(c-2120.85,1533.59) C209.1@-2120.85,1474.57 ; C208.P$1@-2162.59,1491.85 ccw(c-2120.85,1533.59) C209.1@-2120.85,1474.57 ; U300.1@-2054.69,266 ccw(c-2009.43,266) -2041.43,233.99 ; U300.1@-2054.69,266 ccw(c-2009.43,266) -2041.43,233.99 ; U300.1@-2054.69,266 ccw(c-2009.43,266) -2041.43,233.99 ; U300.1@-2054.69,266 ccw(c-2009.43,266) -2041.43,233.99 ; -2033.66,226.22 cw(c-2047.31,212.56) C300.P$1@-2028,212.56 ; -2033.66,226.22 cw(c-2047.31,212.56) C300.P$1@-2028,212.56 ; -2033.66,226.22 cw(c-2047.31,212.56) C300.P$1@-2028,212.56 ; -2033.66,226.22 cw(c-2047.31,212.56) C300.P$1@-2028,212.56 ; -1866.61,230.94 ccw(c-1842.62,230.94) C302.P$1@-1859.59,213.97 ; -1866.61,230.94 ccw(c-1842.62,230.94) C302.P$1@-1859.59,213.97 ; -1866.61,230.94 ccw(c-1842.62,230.94) C302.P$1@-1859.59,213.97 ; -1866.61,230.94 ccw(c-1842.62,230.94) C302.P$1@-1859.59,213.97 ; -1866.61,246.63 ccw(c-1820.93,246.63) C302.P$1@-1853.23,214.33 ; -1866.61,246.63 ccw(c-1820.93,246.63) C302.P$1@-1853.23,214.33 ; -1866.61,246.63 ccw(c-1820.93,246.63) C302.P$1@-1853.23,214.33 ; -1866.61,246.63 ccw(c-1820.93,246.63) C302.P$1@-1853.23,214.33
  Mid-Layer 1 w20: v4(-2358.69,1240) -2274,1240 -2213,1301 v4(-2213,1428) v4@-2220,1435 ; v3(-2020,212.56) v3(-1855,212.56) v3(-1703.33,212.56) v3(-1460,212.56)
  Mid-Layer 2 w20: v4(-2358.69,1240) -2358.69,568.69 v3(-2330,540)
  Bottom Layer w10: v4(-2358.69,1240) -2328.69,1270 -2280,1270 3V3_SEN.P$1@-2200,1190 ; v4@-2358.69,1245 ccw(c-2358.69,1257.07) -2350.16,1248.54 ; v4@-2358.69,1245 ccw(c-2358.69,1257.07) -2350.16,1248.54 ; v4@-2358.69,1245 ccw(c-2358.69,1257.07) -2350.16,1248.54 ; v4@-2358.69,1245 ccw(c-2358.69,1257.07) -2350.16,1248.54 ; v4@-2353.69,1240 cw(c-2341.62,1240) -2350.16,1248.54 ; v4@-2353.69,1240 cw(c-2341.62,1240) -2350.16,1248.54 ; v4@-2353.69,1240 cw(c-2341.62,1240) -2350.16,1248.54 ; v4@-2353.69,1240 cw(c-2341.62,1240) -2350.16,1248.54 ; -2225.61,1215.61 cw(c-2251.21,1190) 3V3_SEN.P$1@-2215,1190 ; -2225.61,1215.61 ccw(c-2200,1241.21) 3V3_SEN.P$1@-2200,1205 ; -2225.61,1215.61 cw(c-2251.21,1190) 3V3_SEN.P$1@-2215,1190 ; -2225.61,1215.61 ccw(c-2200,1241.21) 3V3_SEN.P$1@-2200,1205 ; -2225.61,1215.61 cw(c-2251.21,1190) 3V3_SEN.P$1@-2215,1190 ; -2225.61,1215.61 ccw(c-2200,1241.21) 3V3_SEN.P$1@-2200,1205
  Bottom Layer w20: v3(-2330,540) -2202.22,412.22 -2090.49,412.22 -2020,341.73 v3(-2020,212.56)